# Altium PCB Rear Power Distibution.PcbDoc (part 1 of 3)
Units mm, origin at the board's own origin, x right, y up, seen from the top; angles counter-clockwise.
Board outline 150 x 110 mm, 4 copper layers (Component Side, Ground, Signal, Solder Side), stack 0.843 mm thick; 312 components, 205 nets, 1228 pads, 506 vias.
Unrouted connection lines stored in the file: 174.
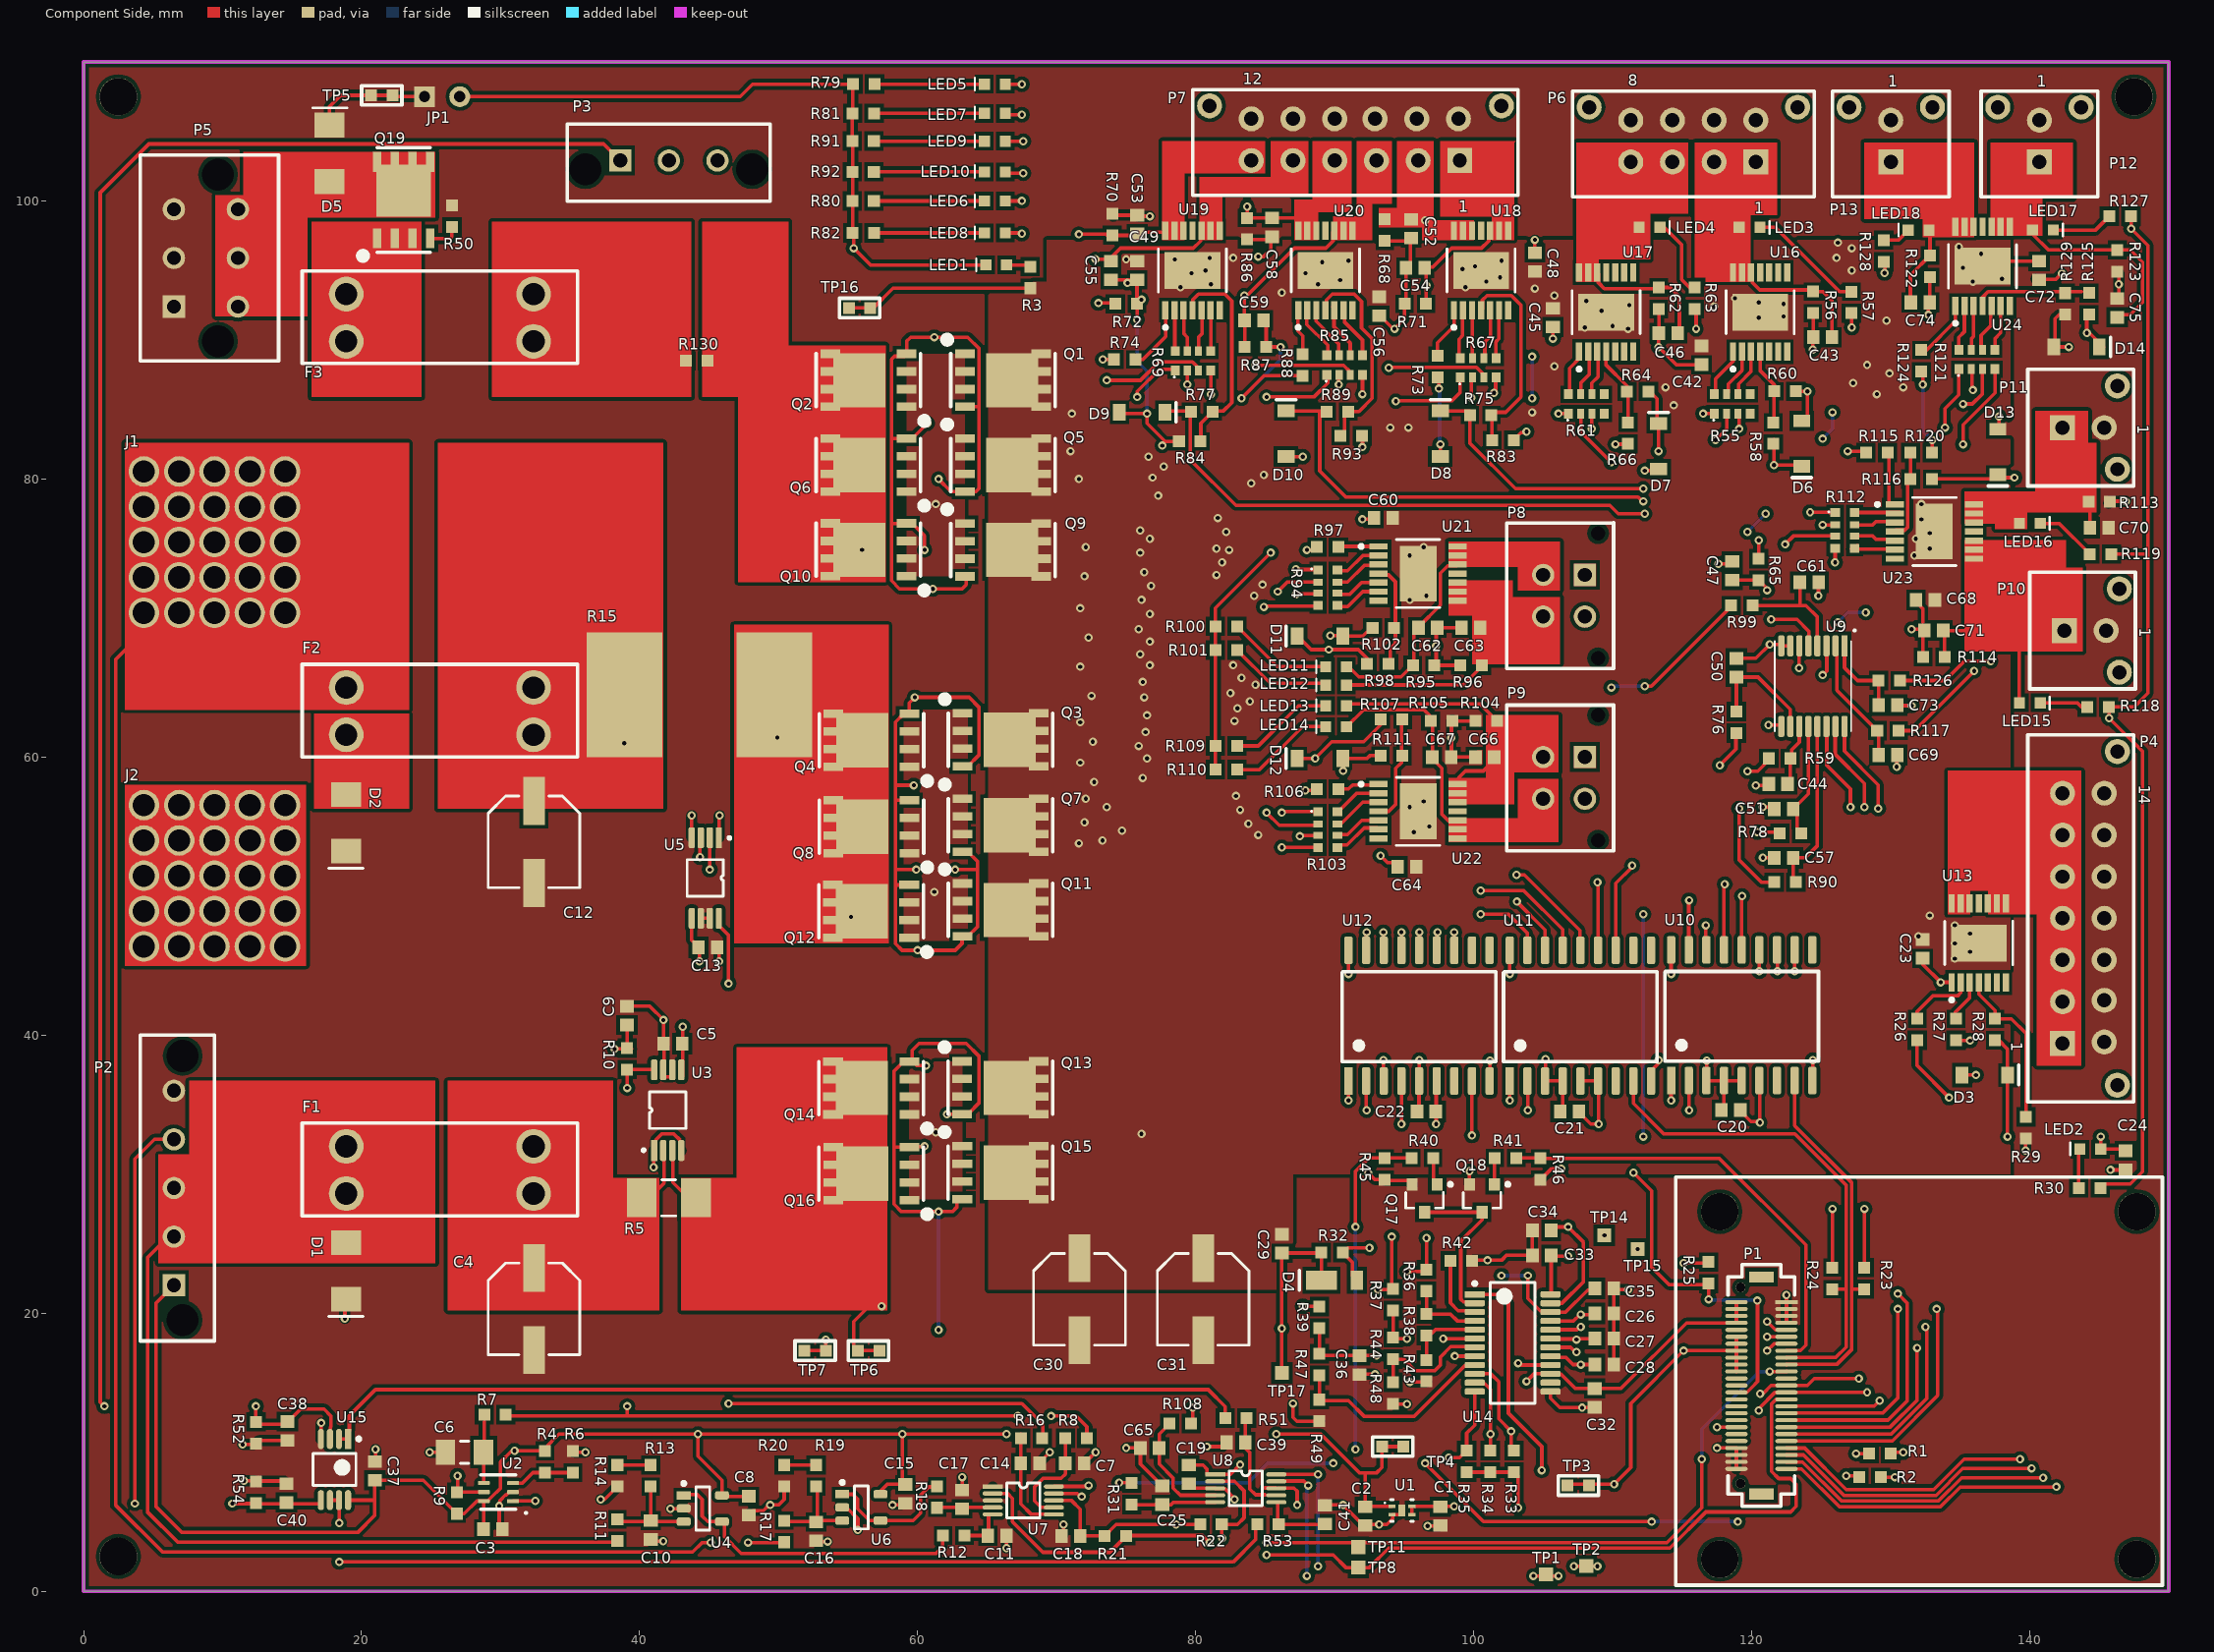
[diagram p0: Component Side view]
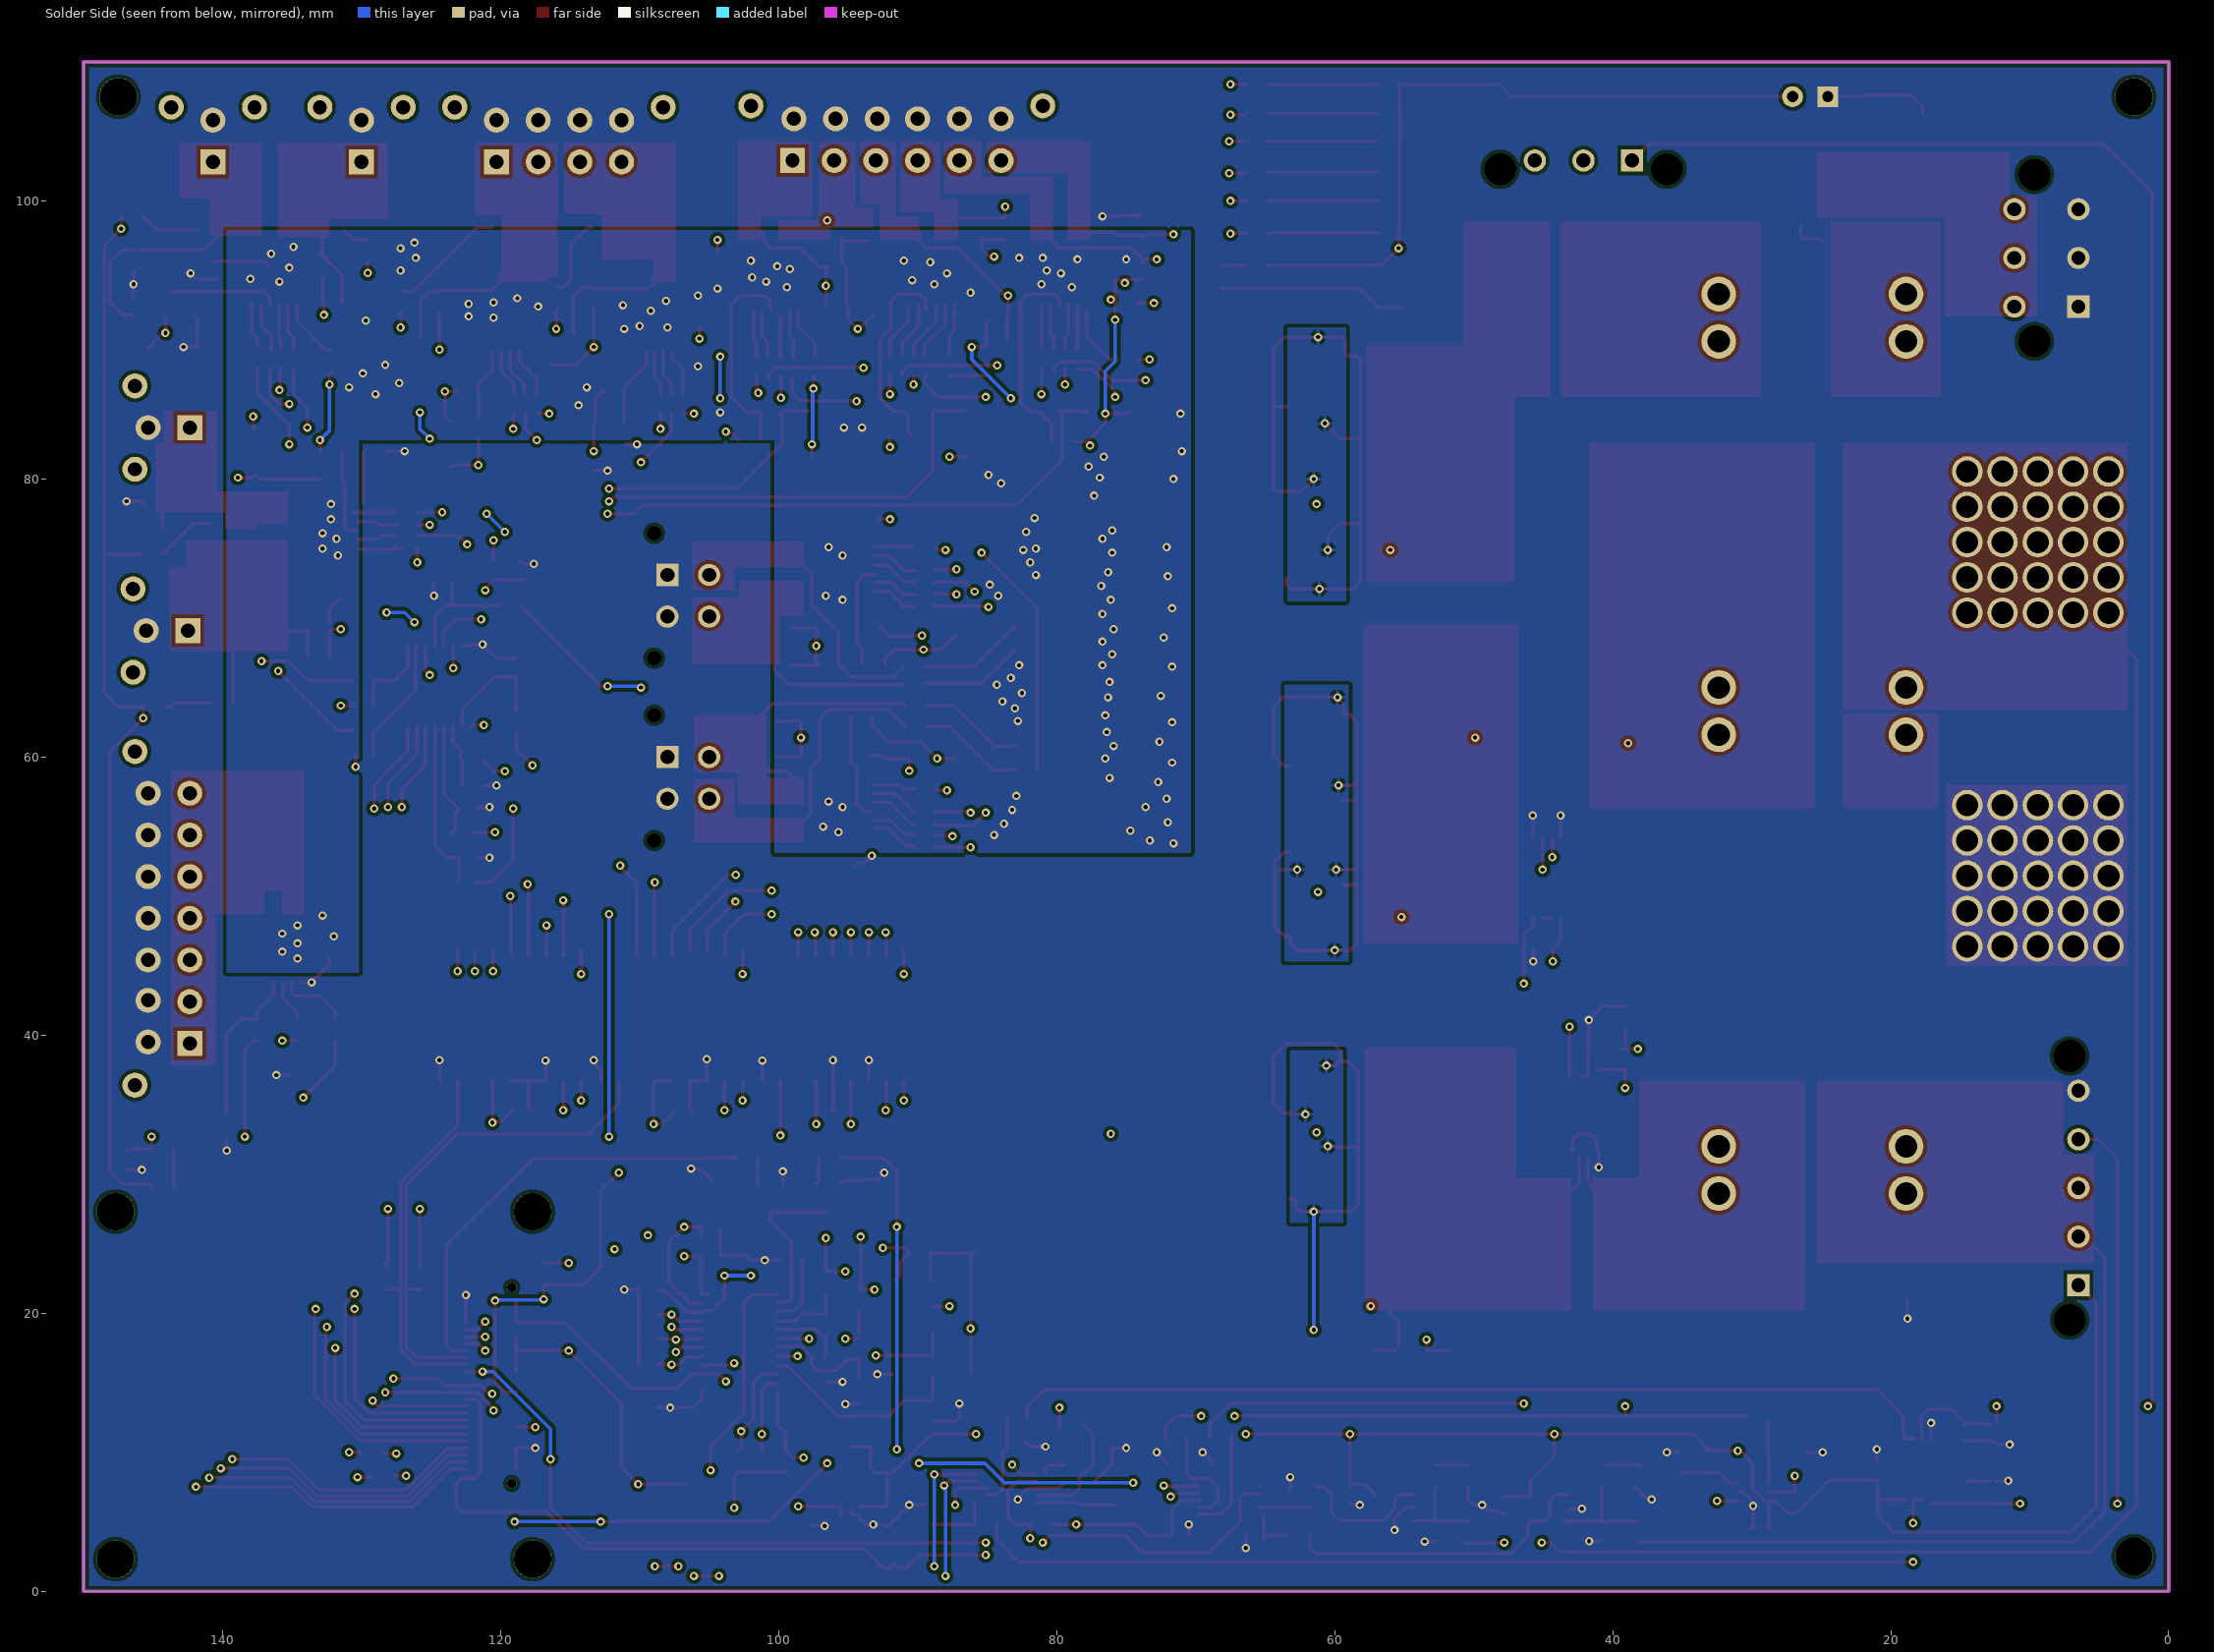
[diagram p1: Solder Side view, seen from below]
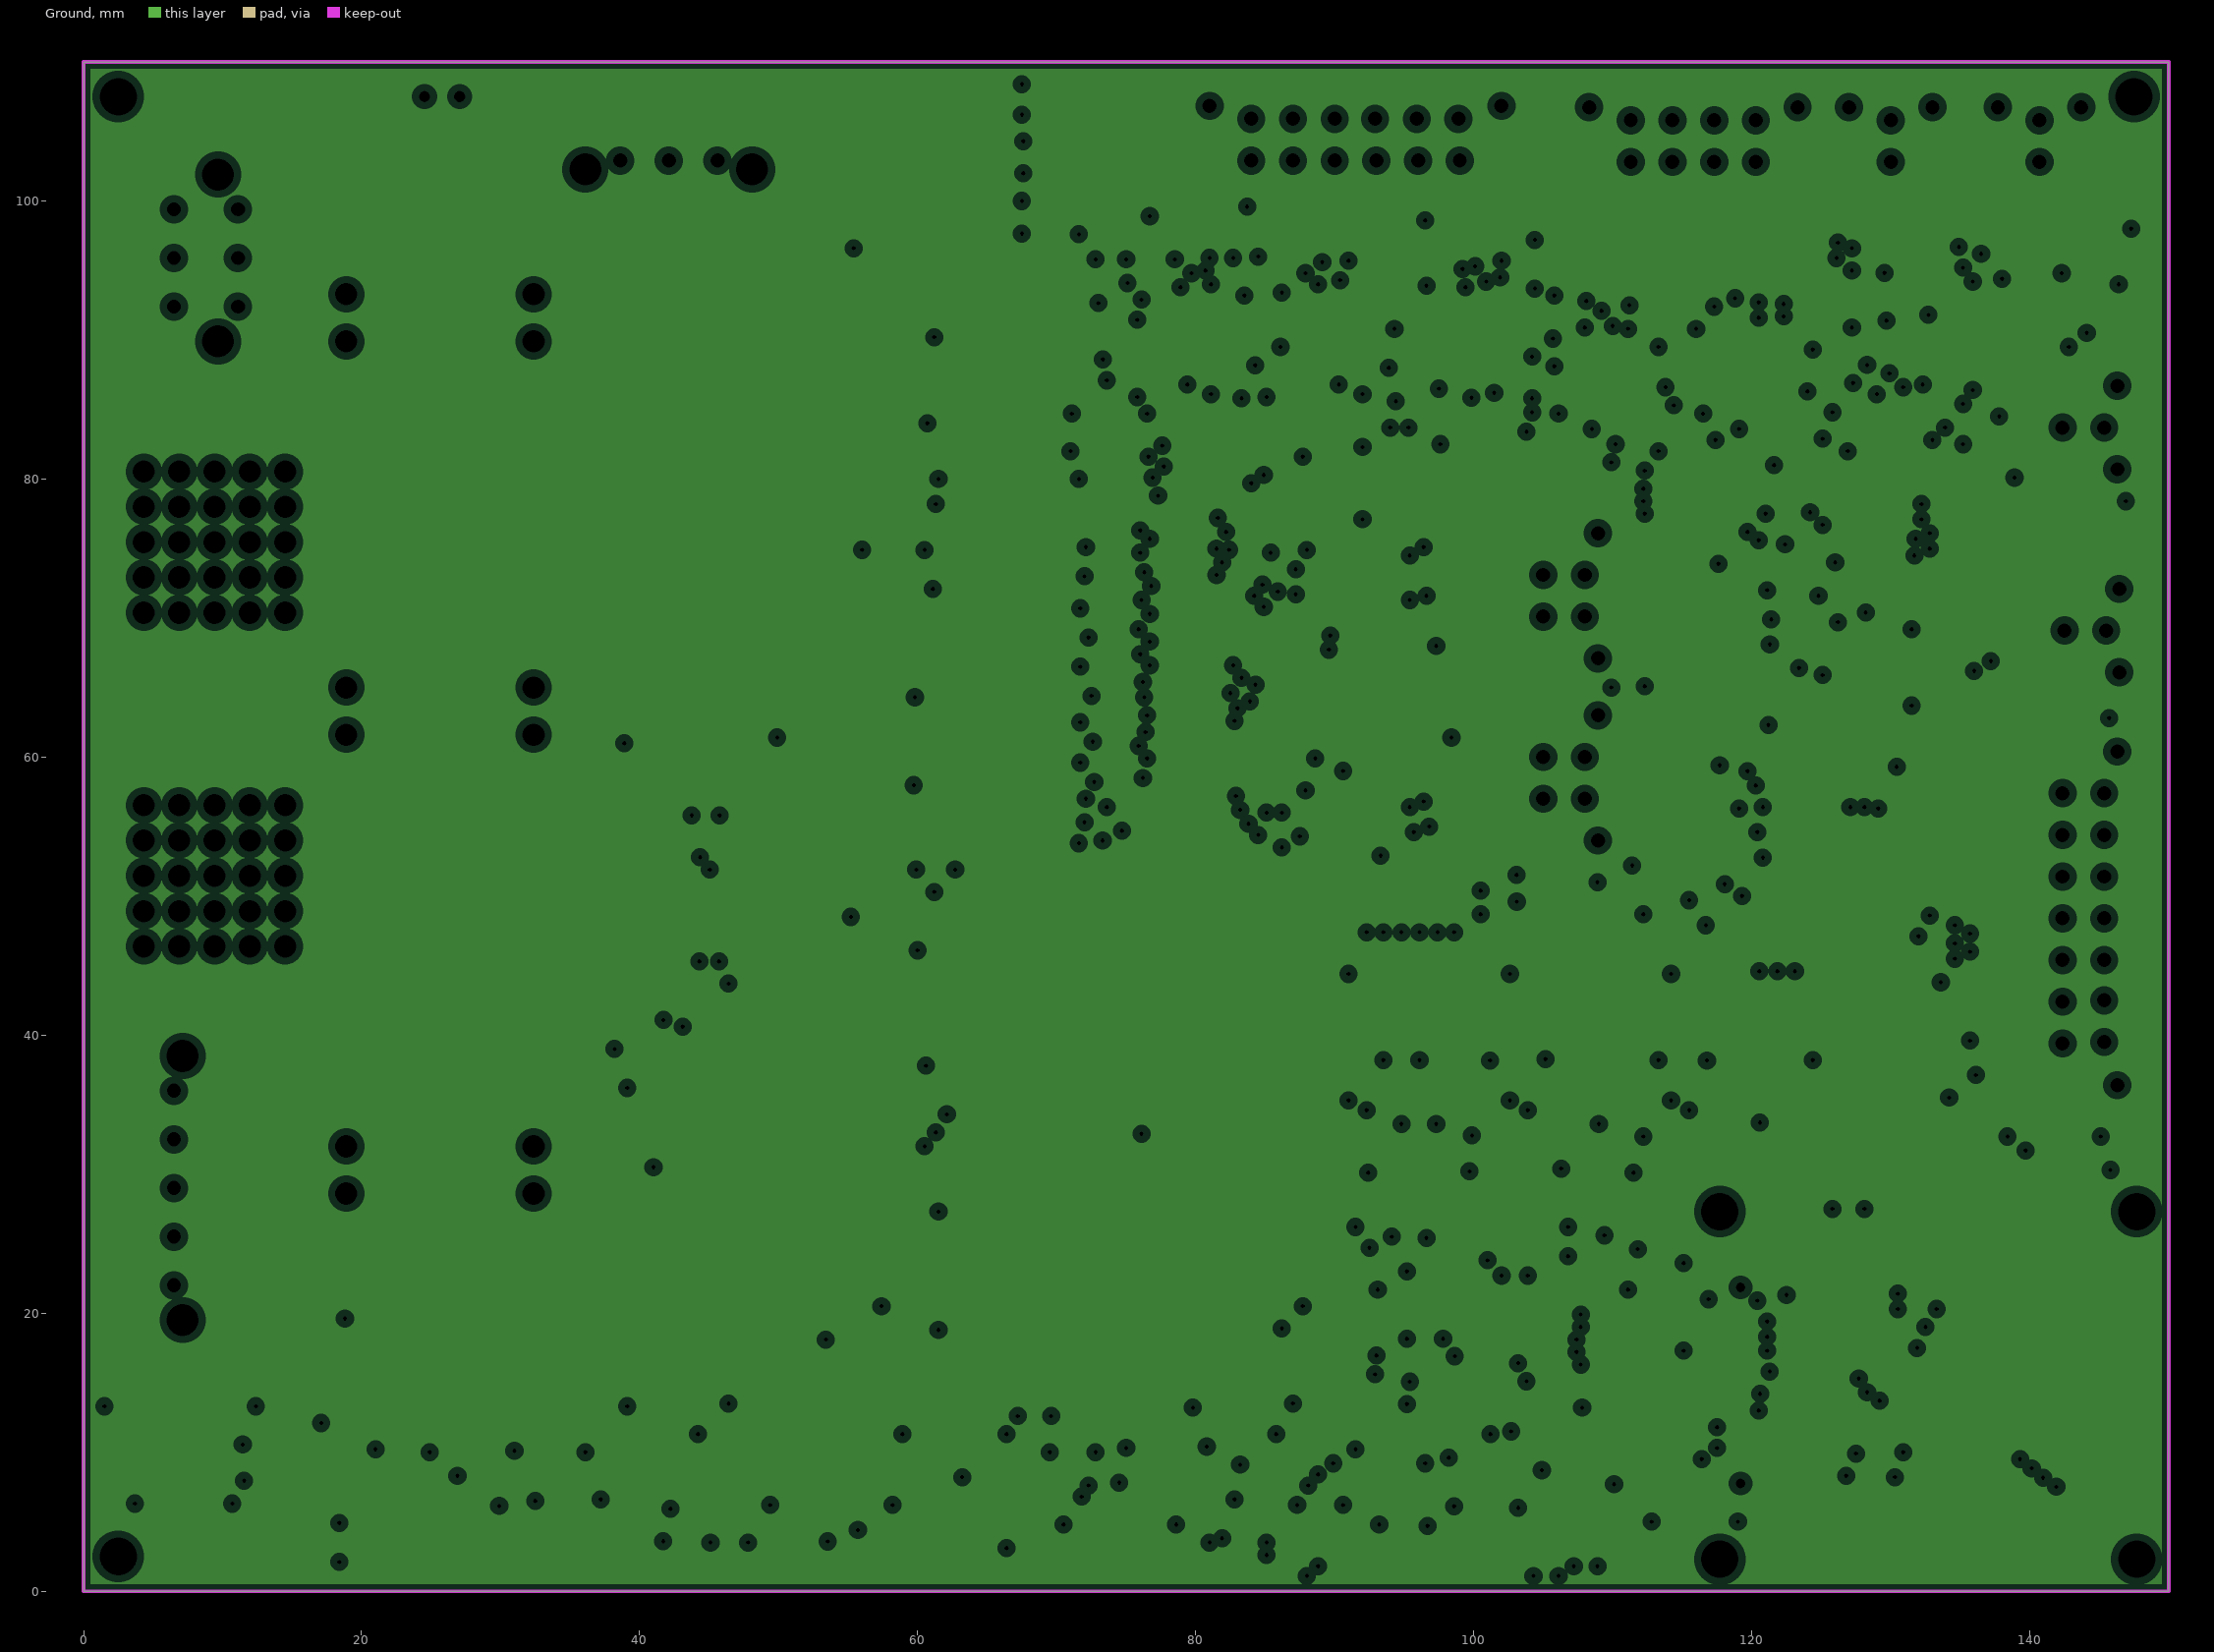
[diagram p2: Ground, clearances drawn from the general rule]